# Altium PCB HTBLEBMSALL24S100A_PCB_V0.2_260323.pcbdoc (part 5 of 7)
Units mm, origin at the board's own origin, x right, y up, seen from the top; angles counter-clockwise.
Board outline 212.1 x 87.6 mm, 2 copper layers (Top Layer, Bottom Layer), stack 1.56 mm thick; 927 components, 443 nets, 2867 pads, 2632 vias.
Unrouted connection lines stored in the file: 1161.
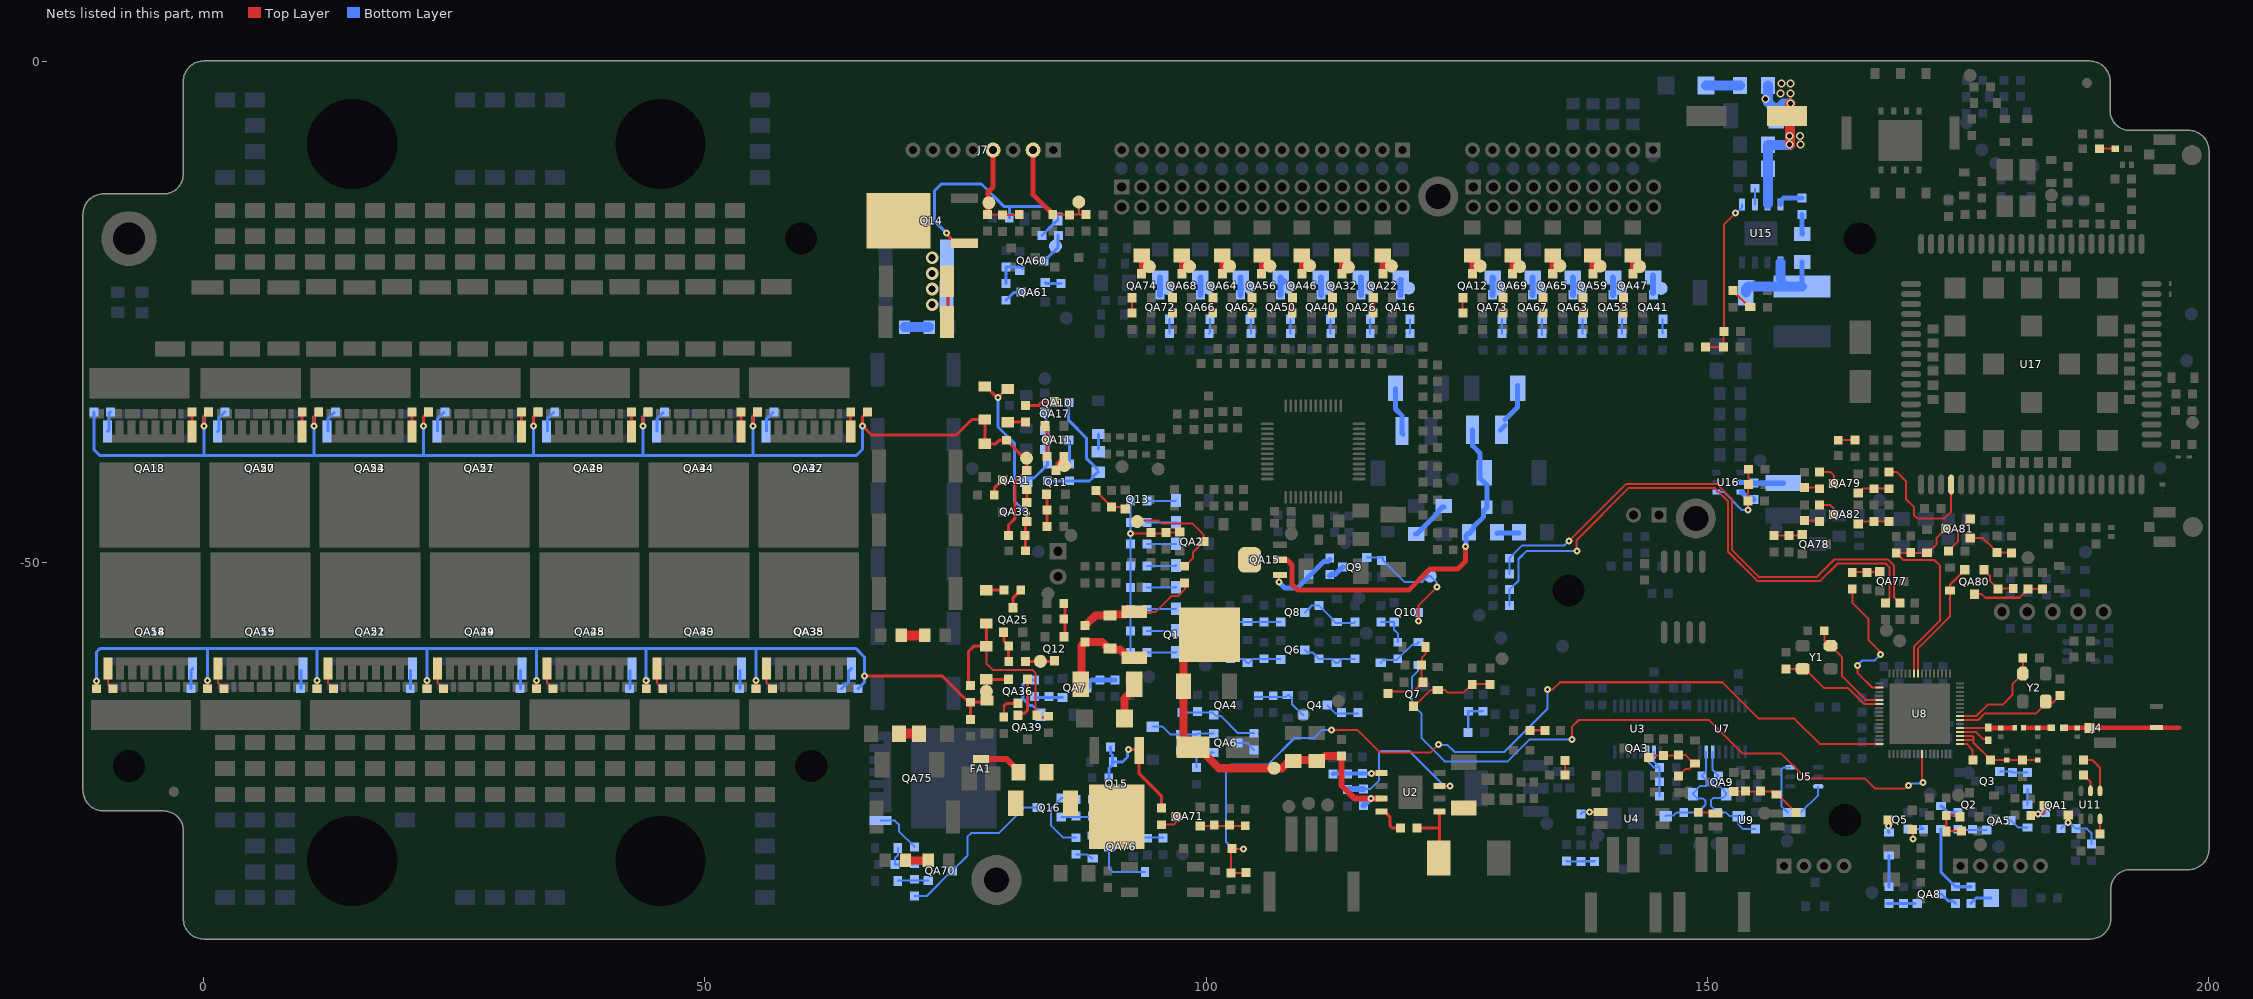
[diagram p5: the nets of this part, all layers, seen from the top]

## Via types
v1: diameter 0.7, hole 0.3, Top Layer to Bottom Layer, tented both sides, 1293 vias
v2: diameter 0.6, hole 0.3, Top Layer to Bottom Layer, tented both sides, 859 vias
v3: diameter 0.8, hole 0.4, Top Layer to Bottom Layer, tented both sides, 301 vias
v4: diameter 0.8, hole 0.5, Top Layer to Bottom Layer, tented both sides, 67 vias
v5: diameter 1.2, hole 0.7, Top Layer to Bottom Layer, tented both sides, 59 vias
v6: diameter 1.27, hole 0.711, Top Layer to Bottom Layer, tented both sides, 34 vias
v7: diameter 3, hole 2, Top Layer to Bottom Layer, tented both sides, 16 vias
v8: diameter 0.9, hole 0.6, Top Layer to Bottom Layer, tented both sides, 2 vias
v9: diameter 0.63, hole 0.3, Top Layer to Bottom Layer, tented both sides, 1 vias

## Nets (pads, with @x,y where several pads share a name; then routed paths per layer and width w, separated by ;. In a path a pad name is that pad's centre, name@x,y a point inside that pad or via, vN(x,y) a via of type N, cw(c..) or ccw(c..) an arc to the next point about the centre after c; other vN are vias at no path point) (continued)
NetAE1_1: AE1.1 C52.1 J4.1 L2.2 | length 11.5
  Top Layer w0.45: L2.2@185.583,-66.479 185.587,-66.475 186.899,-66.475 188.129,-66.475 J4.1@188.133,-66.472 AE1.1@194.811,-66.472 ; AE1.1@194.825,-66.472 197.088,-66.472
NetC1_1: C1.1 D1.2 L1.1 U2.5 | length 6.2
  Top Layer w0.3: C1.1@121.045,-76.457 123.293,-76.457 ; U2.5@123.296,-74.809 123.296,-78.728 L1.1@123.313,-78.746
NetC1_2: C1.2 U2.4 | length 3.5
  Top Layer w0.3: U2.4@117.854,-74.884 U2.4@117.779,-74.809 ; C1.2@119.394,-76.457 118.565,-76.457 118.322,-76.215 118.322,-75.352 U2.4@117.779,-74.809 ; U2.4@117.779,-74.809 U2.4@117.479,-74.809 U2.4@117.779,-74.809
NetC2_1: C2.1 C3.2 C4.2 C5.2 DA4.2 Q1.2 R4.2 T1.1@106.778,-70.509 U2.3 | length 40.4
  Top Layer w0.6: C5.2@113.504,-69.304 113.504,-72.225 114.827,-73.549 v1(116.44,-73.549) 116.45,-73.539 U2.3@117.479,-73.539
  Top Layer w0.8: Q1.2@101.64,-58.497 Q1.2@100.332,-57.19 100.051,-57.19 97.751,-59.49 DA4.2@97.751,-62.322 97.751,-67.974 98.185,-68.408 99.185,-68.408 99.785,-69.008 99.785,-69.015 101.279,-70.509 T1.1@106.778,-70.509 107.578,-70.509 108.019,-70.068 108.247,-70.068 108.378,-69.937 C3.2@108.378,-69.708 ; C3.2@108.08,-70.007 C3.2@108.378,-69.708 ; C4.2@111.049,-69.768 C4.2@111.204,-69.923 ; C5.2@113.504,-69.304 111.836,-69.304 111.433,-69.708 C3.2@108.378,-69.708
  Bottom Layer w0.6: R4.2@115.686,-74.237 116.355,-73.568 116.421,-73.568 v1(116.44,-73.549) v1@116.431,-73.558
NetC6_2: C6.2 R8.2 R16.1 U2.1 | length 4.9
  Top Layer w0.381: v1(116.514,-71.019) 116.524,-71.009 117.469,-71.009 U2.1@117.479,-70.999
  Bottom Layer w0.381: R16.1@112.644,-71.074 112.671,-71.046 114.12,-71.046 115.618,-71.046 116.487,-71.046 v1(116.514,-71.019)
NetC14_2: C14.2 QA2.1 R2.1 R7.1 R10.1 R14.1 R18.1 R20.1 R22.1 R23.1 R24.1 | length 20.2
  Top Layer w0.2: v1(92.445,-47.075) 95.906,-47.075 R20.1@95.975,-47.006 QA2.1@97.449,-47.006
  Bottom Layer w0.2: R7.1@92.445,-58.97 R10.1@92.445,-56.807 R24.1@92.445,-54.644 R23.1@92.445,-52.482 R18.1@92.445,-50.319 R22.1@92.445,-48.156 v1(92.445,-47.075) R14.1@92.445,-45.994 R2.1@92.445,-43.831
NetC15_2: C15.2 QA1.1 R17.2 R19.1 | length 5.6
  Top Layer w0.2: v1(185.969,-75.925) 185.969,-75.221 QA1.1@186.027,-75.164
  Bottom Layer w0.2: C15.2@185.27,-76.541 185.886,-75.925 v1(185.969,-75.925) 186.065,-76.021 186.259,-76.021 R19.1@186.762,-76.524 187.865,-76.524 188.312,-76.971 R17.2@188.312,-78.085
NetC16_1: C16.1 DA12.1 QA3.1 RA1.1 RA2.2 | length 7.2
  Top Layer w0.2: QA3.1@144.147,-69.455 144.379,-69.223 C16.1@145.634,-69.223 147.088,-69.223 RA1.1@147.139,-69.172 147.794,-69.172 DA12.1@148.664,-70.042 ; RA2.2@147.139,-71.283 147.853,-70.569 148.19,-70.569 148.358,-70.402 148.358,-70.348 DA12.1@148.664,-70.042 ; DA12.1@148.766,-70.042 DA12.1@148.664,-70.042
NetC20_1: C20.1 C21.1 C24.2 U3.10 U3.11 | length 7
  Bottom Layer w0.2: U3.11@144.031,-68.896 144.031,-69.809 144.636,-70.415 C20.1@145.245,-70.415 ; U3.10@144.681,-68.896 144.681,-69.851 C20.1@145.245,-70.415 ; C24.2@145.245,-73.304 C20.1@145.245,-70.415
NetC25_2: C25.2 R28.2 R31.1 | length 4.2
  Bottom Layer w0.2: C25.2@135.96,-79.761 136,-79.801 R31.1@138.76,-79.801 ; R28.2@137.39,-79.761 R31.1@138.76,-79.761
NetC26_2: C26.2 QA4.1 R32.1 R40.2 | length 8.1
  Bottom Layer w0.2: R32.1@97.563,-64.928 99.128,-64.928 100.612,-64.928 101.003,-65.32 101.493,-65.32 103.177,-67.004 104.746,-67.004 R40.2@104.764,-67.021
NetC28_1: C28.1 DA16.1 QA6.2 R47.2 | length 6.5
  Bottom Layer w0.2: DA16.1@94.68,-66.361 95.651,-66.361 96.428,-67.138 C28.1@97.416,-67.138 98.993,-67.138 R47.2@99.023,-67.169 99.158,-67.034 QA6.2@100.751,-67.034
NetC28_2: C28.2 QA6.1 R47.1 R53.2 | length 5
  Bottom Layer w0.2: C28.2@97.416,-68.789 98.993,-68.789 R47.1@99.023,-68.82 ; R53.2@99.049,-70.45 99.023,-70.425 R47.1@99.023,-68.82 ; QA6.1@100.751,-68.939 99.143,-68.939 R47.1@99.023,-68.82
NetC29_1: C29.1 DA20.1 QA9.1 RA4.1 RA5.2 | length 7.1
  Top Layer w0.2: QA9.1@152.657,-72.844 153.792,-72.844 155.305,-72.844 156.612,-72.844 157.193,-73.424 157.343,-73.424 RA5.2@158.856,-74.937
NetC43_1: C43.1 U8.5 Y1.1 | length 9.9
  Top Layer w0.2: C43.1@161.666,-56.793 161.666,-57.715 161.955,-58.004 Y1.1@161.955,-58.303 ; Y1.1@162.311,-58.303 163.45,-59.443 163.45,-61.34 165.787,-63.677 U8.5@167.194,-63.677
NetC45_1: C45.1 U8.40 Y2.1 | length 10.2
  Top Layer w0.2: U8.40@175.194,-65.277 176.853,-65.277 177.97,-64.16 179.46,-64.16 180.42,-63.2 180.42,-62.125 Y2.1@181.475,-61.071 ; Y2.1@181.47,-61.067 C45.1@181.47,-59.499
NetC46_1: C46.1 U8.6 Y1.3 | length 10.8
  Top Layer w0.2: C46.1@157.864,-60.589 159.543,-60.589 Y1.3@159.517,-60.589 159.731,-60.589 161.62,-62.479 164.009,-62.479 165.607,-64.077 U8.6@167.194,-64.077
NetC48_1: C48.1 U8.39 Y2.3 | length 11
  Top Layer w0.2: U8.39@175.194,-65.677 177.053,-65.677 177.691,-65.039 182.8,-65.039 183.761,-64.079 Y2.3@183.761,-63.865 ; Y2.3@183.971,-64.105 184.142,-63.933 184.515,-63.933 C48.1@185.183,-63.265
NetC49_1: C49.1 C54.1 L2.1 | length 2.8
  Top Layer w0.45: C49.1@181.553,-66.487 181.556,-66.489 182.98,-66.489 C54.1@182.982,-66.492 182.989,-66.486 184.307,-66.486 L2.1@184.313,-66.479
NetC49_2: C49.2 C53.2 L3.1 U8.37 | length 5.4
  Top Layer w0.2: U8.37@175.194,-66.477 178.001,-66.477 L3.1@178.029,-66.449 ; C49.2@180.67,-66.483 C49.2@180.673,-66.487
  Top Layer w0.5: L3.1@178.054,-66.473 C53.2@179.238,-66.473 ; C53.2@179.263,-66.479 C49.2@180.663,-66.479
NetC55_1: C55.1 C56.1 L4.1 R81.1 U8.34 U8.35 | length 10.4
  Top Layer w0.2: U8.34@175.194,-67.677 176.514,-67.677 ; U8.35@175.194,-67.277 176.397,-67.277 176.514,-67.394 176.555,-67.436 176.555,-67.954 L4.1@178.27,-69.669 ; L4.1@178.27,-69.674 C55.1@179.853,-69.674 R81.1@181.435,-69.674 181.451,-69.689 C56.1@182.982,-69.689
NetC69_1: C69.1 D33.2 L5.1 U15.5 | length 11.4
  Bottom Layer w0.5: L5.1@157.279,-21.576 L5.1@158.129,-22.426 ; U15.5@157.279,-20.066 157.279,-20.029 U15.5@157.329,-19.979 ; L5.1@159.452,-22.426 C69.1@159.452,-19.997
  Bottom Layer w1: D33.2@153.835,-23.067 153.835,-22.688 154.097,-22.426 158.129,-22.426 L5.1@159.452,-22.426 ; L5.1@157.279,-21.576 U15.5@157.279,-20.066
NetC69_2: C69.2 R107.1 | length 1.9
  Bottom Layer w0.5: R107.1@159.454,-15.281 159.454,-17.169 C69.2@159.47,-17.185
NetC72_2: C72.2 C74.2 C75.1 DA55.2 R109.1 U15.3 | length 21.7
  Top Layer w1: C75.1@158.068,-6.042 158.068,-5.72 C75.1@158.262,-5.914 ; C75.1@158.242,-6.042 v4@158.242,-4.211 ; v4@158.262,-8.297 C75.1@158.262,-5.914 ; v4@158.262,-7.411 C75.1@158.262,-5.914 ; C75.1@158.786,-5.72 C75.1@158.837,-5.67
  Bottom Layer w1: U15.3@156.036,-14.222 156.036,-8.343 C74.2@156.063,-8.316 ; C72.2@156.063,-10.717 C74.2@156.063,-8.316 ; R109.1@156.063,-2.396 156.061,-2.397 156.061,-4.073 DA55.2@156.616,-4.629 ; DA55.2@156.878,-5.399 156.878,-4.662 157.107,-4.662 157.598,-4.171 v4(158.283,-4.171) ; v4@158.243,-8.316 C74.2@156.063,-8.316
  other v4: 158.208,-8.297 159.301,-8.297 158.208,-7.411 159.232,-7.411 155.792,-3.725 157.32,-3.188 158.283,-3.188 157.399,-2.205 158.283,-2.205
NetC79_2: C79.2 R111.2 R121.1 U15.1 | length 16.9
  Top Layer w0.2: R121.1@149.81,-28.499 151.613,-28.499 R111.2@151.615,-28.501 151.615,-26.987 C79.2@151.649,-26.953 151.649,-16.282 v1(152.823,-15.107)
  Bottom Layer w0.2: v1(152.823,-15.107) 152.91,-15.107 153.469,-14.549 U15.1@153.469,-14.249
NetC82_1: C82.1 L6.1 U16.5 | length 4.3
  Bottom Layer w0.54: U16.5@153.292,-41.993 153.296,-41.997 154.592,-41.997 C82.1@154.659,-42.064 154.663,-42.068 157.572,-42.068 L6.1@157.576,-42.072
NetC82_2: C82.2 U16.6 | length 1.6
  Bottom Layer w0.54: U16.6@153.422,-42.947 154.026,-43.551 154.494,-43.551 C82.2@154.659,-43.715
NetC85_2: C85.2 R126.1 R130.2 U16.1 | length 8.1
  Top Layer w0.2: C85.2@153.8,-43.862 154.06,-44.122 v1(154.06,-44.76) ; C85.2@154.039,-43.862 154.039,-42.24 R126.1@154.09,-42.189 R130.2@154.09,-40.682
  Bottom Layer w0.2: U16.1@150.892,-42.943 151.643,-42.943 153.46,-44.76 v1(154.06,-44.76)
NetC93_1: C93.1 QA80.1 R131.1 | length 4.9
  Top Layer w0.2: QA80.1@177.586,-50.721 177.586,-50.746 177.936,-51.096 177.961,-51.096 178.22,-51.355 178.22,-51.848 178.421,-52.049 ; R131.1@179.016,-52.643 178.421,-52.049 ; C93.1@180.468,-52.643 C93.1@180.519,-52.593 178.965,-52.593 178.421,-52.049
NetC103_1: C103.1 D47.1 QA81.3 R139.1 U8.58 | length 23.1
  Top Layer w0.2: U8.58@170.594,-61.077 170.594,-58.386 173.23,-55.75 173.23,-50.309 172.651,-49.73 169.552,-49.73 R139.1@168.845,-49.023 170.297,-49.023 171.901,-49.023 D47.1@171.92,-49.004 172.022,-49.004 172.885,-48.14 172.885,-47.514 173.792,-46.607 QA81.3@173.817,-46.607
NetC106_1: C106.1 QA81.1 R141.1 | length 4.7
  Top Layer w0.2: QA81.1@176.23,-47.559 177.504,-47.559 178.568,-48.623 C106.1@178.912,-48.968 180.292,-48.968 R141.1@180.343,-49.019
NetCA1_1: CA1.1 J7.4 MT1.1 R94.2 R99.1 | length 9.8
  Top Layer w0.2: R94.2@78.198,-15.261 79.651,-15.261 CA1.1@79.687,-15.297 81.305,-15.297 R99.1@81.356,-15.246
  Top Layer w0.5: R94.2@78.198,-15.246 78.198,-14.096 78.236,-14.058 78.236,-13.023 78.746,-12.514 J7.4@78.746,-8.829
NetCA2_1: CA2.1 J7.2 MT2.1 R95.2 R100.1 | length 11.8
  Top Layer w0.2: R95.2@84.694,-15.246 87.397,-15.246 ; MT2.1@87.293,-14.015 87.293,-15.141 87.397,-15.246 ; R100.1@88.032,-15.246 87.397,-15.246
  Top Layer w0.5: J7.2@82.746,-8.829 82.746,-13.297 R95.2@84.694,-15.246
NetCA5_2: CA5.2 CA6.2 DA26.2 QA15.0 QA15.2 RA8.2 | length 36.9
  Top Layer w0.5: QA15.2@107.228,-49.725 108.067,-49.725 108.574,-50.232 108.574,-52.162 109.16,-52.749 120.205,-52.749 122.328,-50.626 125.104,-50.626 125.88,-49.849 v1(125.88,-48.373)
  Bottom Layer w0.5: v1(125.88,-48.373) 125.919,-48.335 125.919,-47.302 CA6.2@126.125,-47.095 ; CA6.2@126.227,-47.095 126.675,-46.647 126.675,-46.426 127.683,-45.418 127.683,-44.788 CA5.2@128.005,-44.466 ; RA8.2@126.582,-36.745 126.582,-38.345 127.344,-39.107 127.344,-41.596 128.005,-42.256 CA5.2@128.005,-44.555
NetCA6_1: CA6.1 CA7.2 | length 2.2
  Bottom Layer w0.5: CA6.1@129.021,-47.095 129.072,-47.044 CA7.2@131.205,-47.044
NetCA15_1: CA15.1 DA32.2 DA39.2 QA31.2 RA14.2 RA20.2 RA27.2 RA35.2 RA41.2 RA48.2 RA55.2 RA64.2 RA73.1 RA74.2 RA81.2 RA88.2 RA93.2 RA100.2 RA109.2 T52.1 | length 150.5
  Top Layer w0.3: v1(-0.001,-36.343) -0.001,-35.426 RA14.2@0.474,-34.951 ; v1(10.995,-36.349) 10.995,-35.432 RA109.2@11.47,-34.957 ; v1(21.94,-36.349) 21.94,-35.432 RA100.2@22.415,-34.957 ; v1(32.885,-36.349) 32.885,-35.432 RA93.2@33.36,-34.957 ; v1(43.83,-36.349) 43.83,-35.432 RA88.2@44.305,-34.957 ; v1(54.775,-36.349) 54.775,-35.432 RA81.2@55.25,-34.957 ; RA74.2@66.194,-34.957 65.719,-35.432 v1(65.719,-36.349) 66.625,-37.255 75.071,-37.255 76.597,-35.729 DA32.2@77.914,-35.729 DA39.2@77.914,-38.142 79.003,-38.142 79.359,-37.786 RA73.1@80.1,-37.786 ; RA73.1@80.126,-37.811 80.395,-38.08 80.395,-38.106 82.107,-39.818 QA31.2@82.107,-40.809 82.082,-40.809 80.946,-41.944 80.946,-45.576 80.283,-46.239 CA15.1@80.283,-47.286
  Bottom Layer w0.3: RA20.2@-10.959,-34.951 -10.959,-38.743 -10.413,-39.289 -0.021,-39.289 ; RA27.2@0.474,-34.951 -0.001,-35.426 v1(-0.001,-36.343) -0.001,-39.269 -0.021,-39.289 ; 10.995,-39.275 v1(10.995,-36.349) 10.995,-35.432 RA35.2@11.47,-34.957 ; 21.94,-39.275 v1(21.94,-36.349) 21.94,-35.432 RA41.2@22.415,-34.957 ; 32.885,-39.275 v1(32.885,-36.349) 32.885,-35.432 RA48.2@33.36,-34.957 ; 43.83,-39.275 v1(43.83,-36.349) 43.83,-35.432 RA55.2@44.305,-34.957 ; 54.775,-39.275 v1(54.775,-36.349) 54.775,-35.432 RA64.2@55.25,-34.957 ; v1(65.719,-36.349) 65.719,-38.682 65.112,-39.289 -0.021,-39.289
NetCA15_2: CA15.2 DA30.2 DA32.1 QA33.1 RA63.2 | length 19.6
  Top Layer w0.3: DA32.1@77.914,-32.427 78.041,-32.427 79.054,-33.439 79.163,-33.439 v1(79.24,-33.516) 80.075,-32.681 DA30.2@80.202,-32.681 ; RA63.2@81.957,-48.81 81.957,-46.038 QA33.1@82.107,-45.889 82.082,-45.863 v1(82.082,-45.076)
  Bottom Layer w0.3: v1(79.24,-33.516) 79.24,-36.465 80.9,-38.126 80.9,-43.895 v1(82.082,-45.076)
NetCA16_1: CA16.1 CA19.2 | length 4
  Bottom Layer w0.5: CA19.2@120.867,-47.159 120.994,-47.159 123.137,-45.016 123.137,-44.889 123.585,-44.441 CA16.1@123.712,-44.441
NetCA21_1: CA21.1 DA37.2 DA40.2 QA36.2 RA15.1 RA21.1 RA28.1 RA36.1 RA42.1 RA49.1 RA56.1 RA65.1 RA70.1 RA75.1 RA82.1 RA89.1 RA94.1 RA101.1 RA110.1 T55.1 | length 132.9
  Top Layer w0.3: RA110.1@-10.715,-62.576 -10.707,-62.568 -10.707,-61.796 v1(-10.7,-61.789) ; RA101.1@0.361,-62.576 v1@0.362,-61.779 ; RA94.1@11.306,-62.576 v1@11.307,-61.779 ; RA89.1@22.251,-62.576 v1@22.251,-61.779 ; RA82.1@33.197,-62.576 v1(33.197,-61.778) ; RA75.1@44.141,-62.576 v1@44.141,-61.779 ; RA65.1@55.086,-62.576 v1(55.087,-61.778) ; v1(65.9,-61.288) 73.656,-61.288 75.996,-63.628 76.176,-63.628 CA21.1@76.471,-63.922 ; RA70.1@76.471,-65.781 CA21.1@76.471,-63.922 ; QA36.2@80.268,-61.621 80.253,-61.637 DA37.2@78.067,-61.637 T55.1@78.067,-62.843 78.067,-64.05 77.94,-63.923 CA21.1@76.471,-63.922
  Bottom Layer w0.3: v1(-10.7,-61.789) -10.7,-58.911 -10.374,-58.586 0.362,-58.586 ; RA15.1@0.361,-62.576 0.362,-61.779 0.362,-58.586 ; RA21.1@11.306,-62.738 v1@11.306,-61.941 ; v1(11.307,-61.778) 11.307,-58.586 ; RA28.1@22.251,-62.576 22.251,-61.779 22.252,-58.586 ; RA36.1@33.197,-62.576 v1(33.197,-61.778) 33.197,-58.586 ; RA42.1@44.141,-62.738 v1@44.141,-61.941 ; v1(44.142,-61.778) 44.142,-58.586 ; RA49.1@55.086,-62.576 v1(55.087,-61.778) 55.087,-58.586 ; RA56.1@65.404,-62.447 RA56.1@65.274,-62.576 65.9,-61.95 65.9,-59.4 65.086,-58.586 55.087,-58.586 ; 0.362,-58.586 11.307,-58.586 ; 11.307,-58.586 22.252,-58.586 ; 22.252,-58.586 44.142,-58.586 ; 44.142,-58.586 55.087,-58.586
  other v1: 0.362,-61.778 22.252,-61.778
NetCA21_2: CA21.2 DA36.2 DA37.1 QA39.1 RA72.1 | length 20.5
  Top Layer w0.2: DA37.1@78.067,-58.335 78.067,-60.06 78.703,-60.697 82.666,-60.697 82.983,-61.014 82.983,-65.421 84.188,-65.421 RA72.1@84.292,-65.317
  Top Layer w0.3: CA21.2@76.29,-62.272 76.29,-58.868 76.824,-58.335 DA37.1@78.067,-58.335 DA36.2@78.067,-56.059
NetCA25_2: CA25.2 CA29.1 | length 2
  Top Layer w1: CA29.1@69.382,-67.046 CA25.2@71.337,-67.046
NetCA41_2: CA41.2 CA42.1 | length 2.5
  Bottom Layer w0.3: CA41.2@72.353,-26.229 CA41.2@72.404,-26.28
  Bottom Layer w1: CA42.1@69.905,-26.472 CA41.2@72.343,-26.472
NetCA43_2: CA43.2 CA44.1 | length 2.4
  Top Layer w1: CA43.2@69.585,-57.25 CA44.1@71.947,-57.25
NetCA53_1: CA53.1 DA43.1 Q15.1 RA141.2 RA147.1 | length 13.5
  Top Layer w0.3: v1(92.232,-68.647) 93.217,-68.647 Q15.1@93.314,-68.743 93.314,-71.047 95.564,-73.297 RA147.1@95.564,-74.494
  Bottom Layer w0.3: RA141.2@90.286,-71.456 90.286,-70.544 90.675,-70.155 90.675,-69.244 90.436,-69.005 90.436,-68.397 CA53.1@90.446,-68.388 ; DA43.1@90.715,-69.876 91.663,-69.876 92.155,-69.384 92.155,-68.723 v1(92.232,-68.647)
NetCA58_2: CA58.2 QA71.1 RA154.1 RA161.1 | length 4.5
  Top Layer w0.2: QA71.1@99.412,-76.256 103.895,-76.256 RA154.1@103.905,-76.246
NetCA62_2: CA62.2 RA166.2 RA172.1 U8.16 | length 89.4
  Top Layer w0.2: v1(103.705,-78.548) 102.58,-78.548 RA166.2@102.559,-78.528 102.465,-78.622 RA172.1@102.465,-80.961 103.931,-80.961 CA62.2@103.974,-80.918 ; v1(112.506,-66.678) 115.076,-66.678 117.353,-68.955 122.372,-68.955 v1(123.199,-68.128) ; v1(134.06,-62.64) 134.6,-62.64 135.31,-61.929 151.509,-61.929 155.15,-65.57 158.69,-65.57 161.197,-68.077 U8.16@167.194,-68.077
  Bottom Layer w0.2: v1(103.705,-78.548) 102.707,-78.548 101.98,-77.821 101.98,-70.638 102.491,-70.128 106.179,-70.128 108.815,-67.491 110.769,-67.491 111.582,-66.678 v1(112.506,-66.678) ; v1(123.199,-68.128) 123.268,-68.197 124.099,-68.197 124.789,-68.888 129.722,-68.888 134.06,-64.55 v1(134.06,-62.64)
NetCA64_2: CA64.2 CA65.1 | length 2.3
  Top Layer w0.8: CA64.2@70.007,-79.691 CA65.1@72.277,-79.691
NetD2_1: D2.1 R9.1 | length 1.5
  Top Layer w0.2: R9.1@135.756,-69.681 135.756,-69.749 135.794,-69.787 D2.1@135.794,-71.179
NetD4_1: D4.1 D6.2 PTC2.2 R60.2 R63.2 U7.14 | length 13.8
  Bottom Layer w0.2: U7.14@150.529,-68.896 150.529,-70.684 R63.2@151.1,-71.255 150.54,-71.815 150.54,-72.23 150.658,-72.347 151.247,-72.347 151.474,-72.574 151.882,-72.982 151.882,-73.161 151.544,-73.499 150.57,-73.499 150.36,-73.709 150.36,-74.23 PTC2.2@151.029,-74.899 151.851,-74.899 152.244,-75.292 D6.2@153.133,-75.292 153.133,-76.143 153.546,-76.556 R60.2@154.81,-76.556
NetD4_2: D4.2 D5.2 PTC1.2 R63.1 R66.1 U7.15 | length 11.9
  Bottom Layer w0.2: D5.2@145.84,-75.292 145.92,-75.212 146.658,-75.212 146.971,-74.899 147.64,-74.899 R66.1@147.647,-74.892 ; R66.1@147.653,-74.899 148.372,-74.899 PTC1.2@149.091,-74.899 149.82,-74.169 149.82,-73.769 149.56,-73.509 148.988,-73.509 148.58,-73.101 148.58,-72.982 149.264,-72.299 149.89,-72.299 150.007,-72.182 150.007,-71.813 R63.1@149.449,-71.255 149.879,-70.826 U7.15@149.879,-68.896
NetD7_2: D7.2 Q6.3 R69.1 R72.2 | length 5.7
  Bottom Layer w0.2: Q6.3@109.854,-58.698 110.116,-58.959 110.624,-58.959 R69.1@111.251,-59.587 112.493,-59.587 112.917,-60.011 113.019,-60.011 113.12,-60.011 113.545,-59.587 R72.2@114.834,-59.587
NetD8_2: D8.2 Q7.3 R70.1 R73.2 | length 8.7
  Top Layer w0.2: Q7.3@120.732,-64.26 121.022,-63.969 121.118,-63.969 122.393,-62.694 D8.2@123.103,-62.694 123.801,-62.694 124.074,-62.967 125.671,-62.967 126.545,-62.094 128.252,-62.094 R73.2@128.304,-62.147
NetD9_2: D9.2 Q8.3 R71.1 R74.2 | length 6.1
  Bottom Layer w0.2: Q8.3@109.854,-54.951 109.879,-54.951 110.411,-54.419 110.411,-54.394 110.552,-54.253 R71.1@111.251,-54.253 112.621,-55.623 112.621,-55.724 112.927,-56.031 113.029,-56.031 114.707,-56.031 R74.2@114.834,-55.904
NetD10_1: D10.1 R82.1 | length 1.3
  Top Layer w0.25: R82.1@132.482,-66.727 133.814,-66.727 D10.1@133.82,-66.734
NetD18_1: D18.1 U8.25 | length 67.4
  Top Layer w0.2: v1(136.48,-67.619) 136.48,-66.389 137.15,-65.719 150.183,-65.719 153.494,-69.03 157.32,-69.03 159.81,-71.52 165.72,-71.52 166.75,-72.55 169.703,-72.55 170.003,-72.25 v1(170.07,-72.25) ; U8.25@171.394,-69.077 171.394,-71.669 171.53,-71.805 v1(171.53,-71.94)
  Bottom Layer w0.2: D18.1@121.198,-60.201 121.157,-60.242 121.157,-60.791 120.552,-61.395 120.552,-64.123 121.493,-65.063 121.493,-67.509 123.804,-69.82 130.088,-69.82 132.289,-67.619 v1(136.48,-67.619) ; v1(170.07,-72.25) 170.205,-72.25 170.42,-72.036 171.434,-72.036 v1(171.53,-71.94)
NetD18_2: D18.2 D19.2 RA29.2 | length 4.6
  Bottom Layer w0.2: D19.2@117.413,-59.986 117.667,-59.732 118.968,-59.732 RA29.2@119.113,-59.587 ; RA29.2@119.129,-59.603 120.563,-58.169 120.944,-58.169 D18.2@121.198,-57.915
NetD32_2: D32.2 R109.2 | length 3.4
  Bottom Layer w0.8: D32.2@149.869,-2.404 D32.2@149.873,-2.4 ; R109.2@153.265,-2.4 R109.2@153.269,-2.396
  Bottom Layer w1: D32.2@149.873,-2.4 R109.2@153.265,-2.4
NetD44_1: D44.1 R127.2 | length 1.7
  Top Layer w0.2: D44.1@163.071,-37.779 R127.2@164.735,-37.779
NetD45_2: D45.2 R129.1 | length 1.6
  Top Layer w0.2: D45.2@159.69,-42.503 161.084,-42.503 R129.1@161.205,-42.624
NetD46_2: D46.1 QA80.2 U8.57 | length 12.3
  Top Layer w0.2: U8.57@170.994,-61.077 170.994,-58.586 174.221,-55.359 D46.1@174.221,-52.767 174.224,-52.765 174.224,-52.178 175.306,-51.096 175.331,-51.096 175.681,-50.746 QA80.2@175.681,-50.721
NetD48_2: D48.2 R138.1 | length 1.6
  Top Layer w0.2: D48.2@159.69,-45.783 161.084,-45.783 R138.1@161.205,-45.904
NetDA1_2: DA1.2 R1.2 | length 3.8
  Top Layer w0.8: DA1.2@91.869,-65.533 91.869,-63.541 92.839,-62.571 R1.2@92.839,-62.126
NetDA2_1: DA2.1 Q1.1 R3.1 R13.2 | length 11.8
  Top Layer w0.2: Q1.1@92.838,-54.904 94.961,-54.904 96.534,-53.331 97.189,-53.331 97.906,-52.614 97.906,-52.061 R13.2@97.855,-52.01
  Top Layer w0.8: R3.1@88.178,-56.049 88.965,-55.261 90.337,-55.261 90.414,-55.184 91.923,-55.184 92.203,-54.904 Q1.1@92.838,-54.904
NetDA2_2: DA2.2 Q1.3 R1.1 R3.2 | length 9.9
  Top Layer w0.8: R1.1@87.509,-62.126 87.576,-62.06 87.576,-58.251 R3.2@87.898,-57.928 89.633,-57.928 90.102,-58.397 90.102,-58.455 90.21,-58.563 DA2.2@90.337,-58.563 ; DA2.2@90.337,-58.671 91.397,-58.671 92.205,-59.48 Q1.3@92.84,-59.48
NetDA3_2: DA3.2 R2.2 | length 2.9
  Bottom Layer w0.2: R2.2@94.096,-43.831 96.952,-43.831 DA3.2@96.991,-43.791
NetDA5_2: DA5.2 R7.2 | length 2.9
  Bottom Layer w0.2: R7.2@94.096,-58.97 96.952,-58.97 DA5.2@96.991,-58.93
NetDA6_2: DA6.2 R10.2 | length 2.9
  Bottom Layer w0.2: R10.2@94.096,-56.807 96.952,-56.807 DA6.2@96.991,-56.767
NetDA7_2: DA7.2 R14.2 | length 2.9